# KiCad board hackrf-one.kicad_pcb (continued)
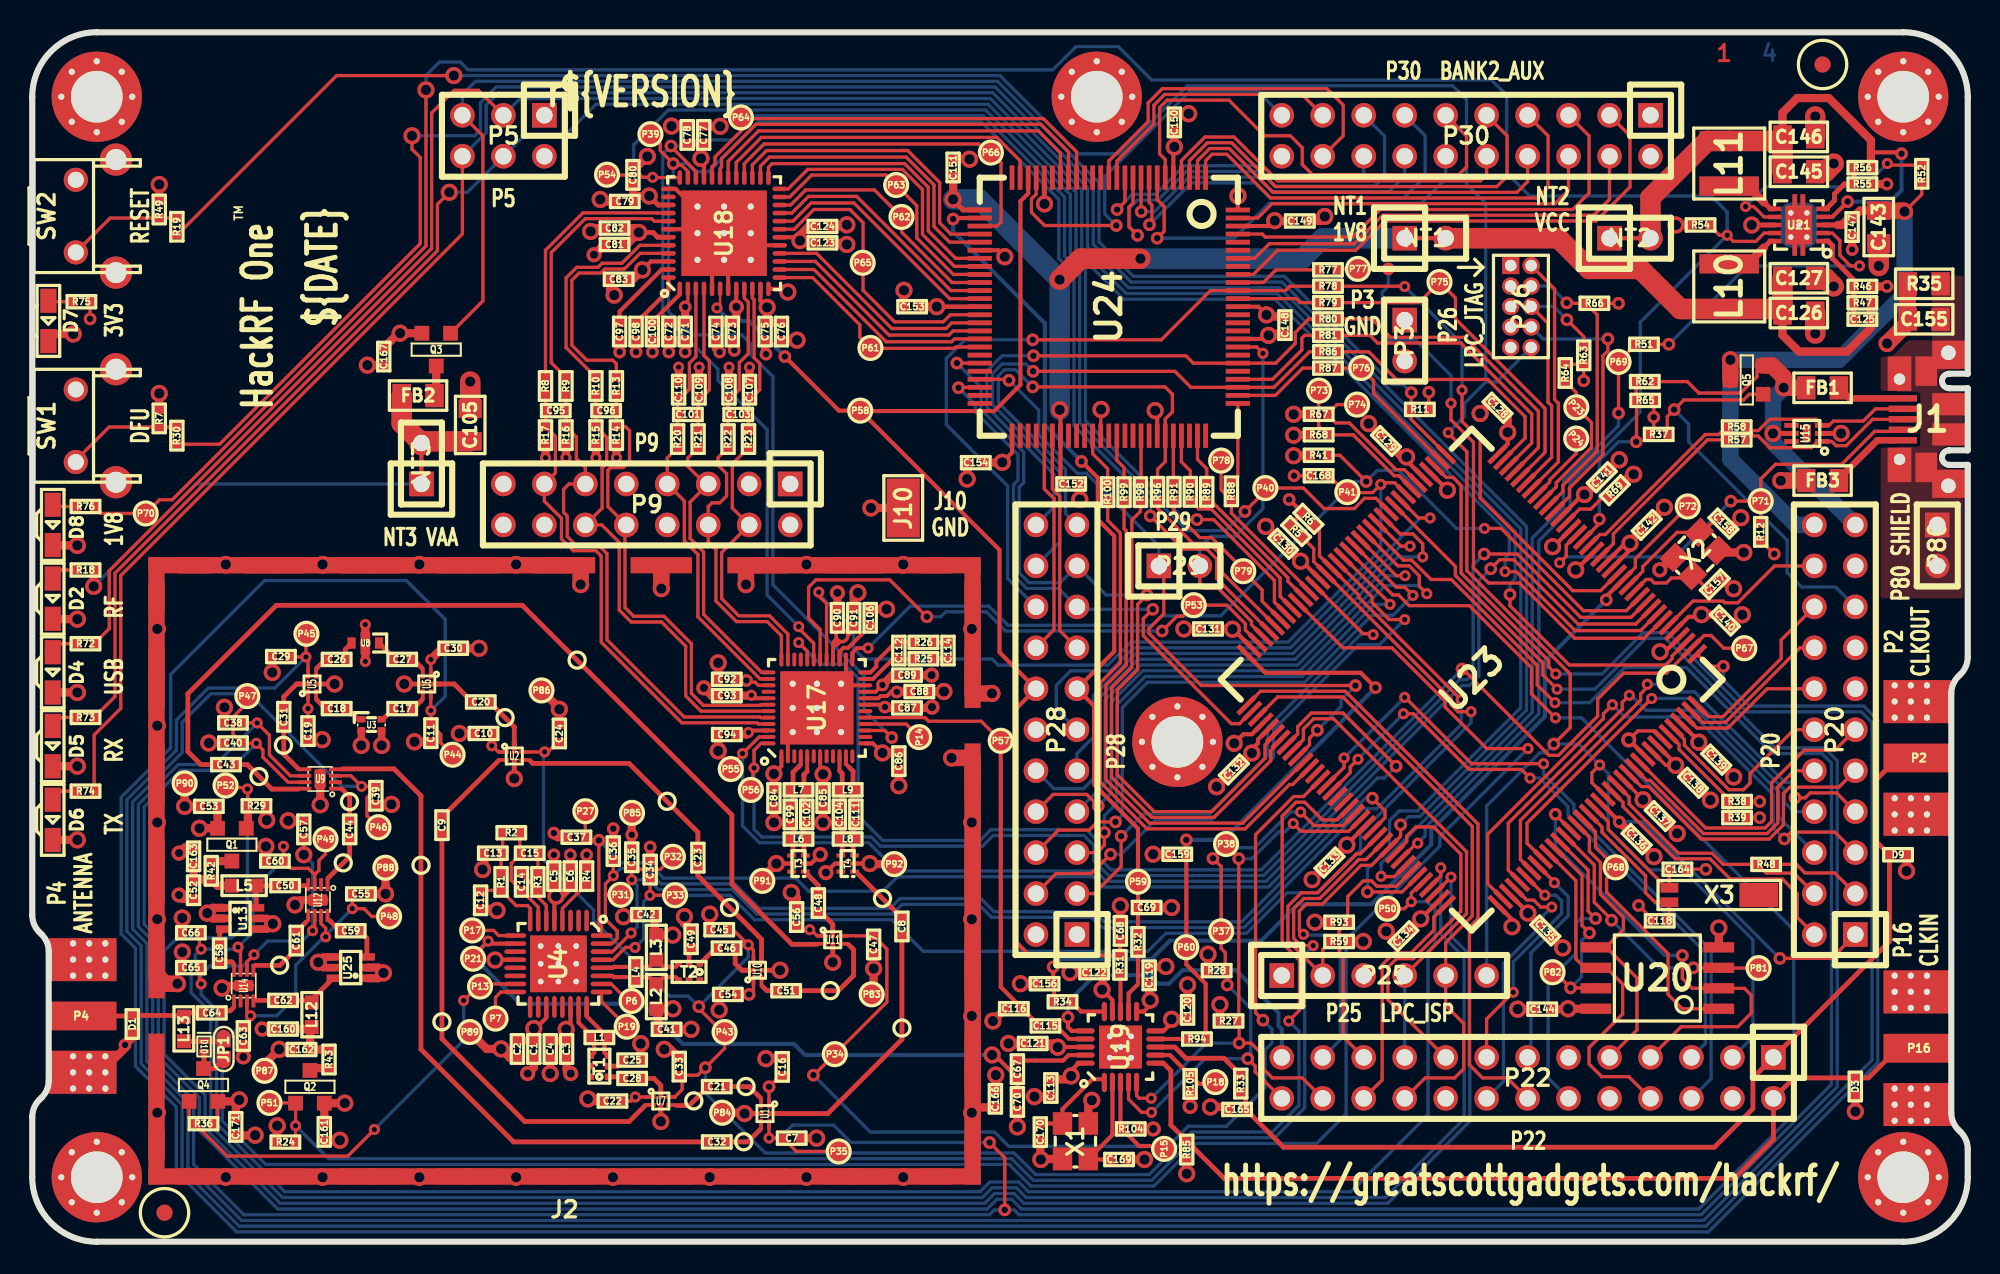
[diagram p0: board, top side]
## Routing (per net, layer and track width the routed paths; a pad name or vN(x,y) marks a point on that pad's centre or on a via; arc(x,y) is an arc through that point) (continued)
/mcu/usb/power/SGPIO14: length 19.2
  C1F w0.203: U23.33 93.38,49.24 93.38,51.5 88.8,56.08 84.2,56.08 83.06,57.22 R80.1
/mcu/usb/power/SGPIO15: length 16.6
  C1F w0.203: R86.1 82.86,55.19 84.58,53.47 90.25,53.47 92.55,51.16 92.55,49.83 U23.35
/mcu/usb/power/SPIFI_CIPO: length 28.7
  C1F w0.203: v3(94.43,26.51) 94.43,26.49 U23.122 ; v3(102.31,17.75) 102.31,16.33 102.92,15.72 U20.2 106.15,15.72 106.58,15.29 106.58,14.17 105.74,13.34 102.24,13.34 P22.7
  C4B w0.203: v3(94.43,26.51) 94.43,24.53 101.21,17.75 v3(102.31,17.75)
/mcu/usb/power/SPIFI_COPI: length 19.5
  C1F w0.203: 97.56,18.26 U20.5 ; U20.5 97.71,18.26 ; U20.5 97.59,18.26 99.49,16.36 99.49,13.13 P22.9 ; 97.63,18.33 98.65,19.35 98.65,20.12 97.23,21.55 97.23,23.53 96.54,24.21 96.54,25.09 U23.123
/mcu/usb/power/SPIFI_CS: length 17
  C1F w0.203: U20.1 102.31,14.45 101.42,15.34 101.42,17.86 97.61,21.67 97.61,22.52 98.17,23.09 P68.1 96.92,24.47 96.92,25.42 U23.124
/mcu/usb/power/SPIFI_SCK: length 21.3
  C1F w0.203: P22.8 98.98,10.24 97.31,10.24 96.52,11.02 96.52,12.04 98.6,14.12 98.6,15.98 97.59,16.99 U20.6 96.26,16.99 95.7,17.55 95.7,22.39 U23.118
/mcu/usb/power/SPIFI_SIO2: length 16.7
  C1F w0.203: v3(102.99,16.99) U20.3 104.59,16.97 P81.1 ; v3(97.92,19.94) 97.92,19.98 96.85,21.05 96.85,23.37 U23.121
  C4B w0.203: v3(97.92,19.94) 100.87,16.99 v3(102.99,16.99)
/mcu/usb/power/SPIFI_SIO3: length 13.2
  C1F w0.203: U20.7 96.92,15.74 v3(95.37,15.74) 94.4,16.71 P82.1 ; v3(96.55,19.15) 96.08,19.61 96.08,22.72 U23.119
  C4B w0.203: v3(96.55,19.15) 96.06,18.66 96.06,16.43 v3(95.37,15.74)
/mcu/usb/power/TCK: length 17.9
  C1F w0.203: v3(95.14,58.22) 95.17,58.19 R66.2 97.03,57.48 97.03,49.03 94.9,46.9 94.9,46.52 U23.27
  C4B w0.203: v3(95.14,58.22) 94.1,59.26 P26.4
/mcu/usb/power/TDI: length 17.1
  C1F w0.203: v3(97.69,55.98) 97.69,55.25 97.38,54.94 97.38,48.81 95.31,46.73 95.31,46.21 U23.26
  C4B w0.203: P26.8 93.67,55.98 v3(97.69,55.98)
/mcu/usb/power/TDO: length 16.8
  C1F w0.203: v3(95.15,57.18) 96.19,56.13 R63.1 ; P26.6 93.97,56.95 93.97,52.06 94.2,51.83 94.2,48.65 U23.31
  C4B w0.203: v3(95.15,57.18) 94.33,57.99 P26.6
/mcu/usb/power/TMS: length 15.2
  C1F w0.203: P26.2 94.39,59.08 94.39,52.23 94.62,51.99 94.62,48.36 U23.30
/mcu/usb/power/U0_RXD: length 29.8
  C1F w0.203: U23.81 78.81,31.14 78.81,31.79 79.45,32.43 80.68,32.43 88.93,24.18 88.93,20.35 P25.4
  C4B w0.203: P25.4 P22.19
/mcu/usb/power/U0_TXD: length 37.7
  C1F w0.203: P22.20 86.36,10.16 88.19,10.16 88.75,10.72 88.75,13.54 87.63,14.66 P25.5 87.63,18.55 89.28,20.2 89.28,25.76 81.25,33.78 77.21,33.78 U23.75
/mcu/usb/power/VREGMODE: length 41.4
  C1F w0.203: R51.2 99.39,55.6 P69.1 v3(98.35,51.38) ; v4(83.63,22.66) 83.64,22.64 84.46,22.64 U23.101
  C4B w0.203: v3(98.35,51.38) 98.35,50.61 94.94,47.21 94.94,45.58 93,43.63 93,32.83 83.63,23.45 v4(83.63,22.66)
/mcu/usb/power/WAKEUP: length 15.3
  C1F w0.203: U23.130 99,27.57 99,27.15 102.07,24.09 104.15,24.09 104.84,23.4 R48.2 107.51,22.86 109.22,22.86 P20.4
/mcu/usb/power/XTAL1: length 5.6
  C1F w0.203: U23.12 100.06,41.07 100.35,41.07 100.56,40.85 101.32,40.85 101.62,41.16 102.79,41.16 X2.1 103.02,41.31 C157.1
/mcu/usb/power/XTAL2: length 7.4
  C1F w0.203: U23.13 99.85,41.57 99.85,41.86 101.98,43.99 X2.3 103.56,43.99 C158.1
AMP_BYPASS: length 124.2
  C1F w0.203: v4(13.75,17.8) 13.31,17.36 13.31,16.77 ; U23.104 86.19,22.3 85.5,21.62 v4(85.5,21.08) 85.06,20.65 P50.1 ; C57.1 v1(16.83,24) ; v4(10.47,15.98) 10.37,16.09 C65.2 ; v4(17.38,19.29) 17.51,19.42 17.51,20.42
  C4B w0.203: v1(16.83,24) 17.38,23.45 v4(17.38,19.29) 16.74,18.65 14.6,18.65 v4(13.75,17.8) 13.05,17.1 11,17.1 10.47,16.57 v4(10.47,15.98) 10.47,15.32 11.42,14.37 11.42,7.34 15.66,3.1 58.77,3.1 59.37,3.7 61.16,3.7 61.77,3.1 81.76,3.1 86.54,7.87 86.54,18.01 86.97,18.44 86.97,20.6 86.49,21.08 v4(85.5,21.08)
CLK6: length 21
  C1F w0.254: v3(64.21,13.92) 64.21,13.31 64.45,13.07 U19.16
  C4B w0.254: v3(64.21,13.92) 64.21,14.86 65.89,16.54 69.27,16.54 69.8,16 70.49,16 71.32,16.84 74.63,16.84 77.27,14.2 77.27,13.39 77.47,13.18 P22.25
CLKIN: length 57
  C1F w0.293: 116.88,12 115.68,12 113.84,10.16 D3.2 109.22,10.16 P22.2 107.95,6.35 105.53,3.93 73.89,3.93 R85.1 70.59,7.23 70.59,10.61 70.13,11.07 U19.6
CLKOUT: length 62
  C1F w0.293: 116.88,30 115.67,30 114.27,28.6 114.27,24.87 D9.2 115.14,18.62 P22.1 106.68,10.16 106.68,8.25 104.29,5.86 77.58,5.86 C165.1 75.23,8.97 R33.1
CS_AD: length 70.2
  C1F w0.203: P54.1 35.66,66.14 37.69,66.14 37.83,66.01 v4(38.46,66.01) 38.48,65.99 40.14,65.99 ; U23.65 77.01,39.67 77.01,41.01 73.24,44.78 v3(72.21,44.78)
  C4B w0.203: v4(38.46,66.01) 37.85,66.01 37.29,66.56 37.29,68.03 39.45,70.18 59.11,70.18 64.36,64.93 64.36,61.26 65.3,60.32 65.3,50.9 71.42,44.78 v3(72.21,44.78)
CS_XCVR: length 36.2
  C1F w0.203: v3(55.47,38.75) 55.45,38.75 53.16,41.05 48.59,41.05 48.13,40.59 48.13,38.67 48.85,37.96 48.85,36.1 ; v3(70.05,37.87) 70.97,38.79 71.32,38.79 P53.1 74.07,39.47 75.21,38.33 75.21,37.93 U23.70
  C4B w0.203: v3(55.47,38.75) 56.33,38.75 56.64,39.06 59.16,39.06 60.34,37.87 v3(70.05,37.87)
DA0: length 14.7
  C1F w0.203: 46.34,59.79 48.38,59.79 51.31,56.86 51.31,56.08 P61.1 51.99,55.4 57.18,55.4 57.26,55.48 U24.43
DA1: length 14.3
  C1F w0.203: 46.34,60.29 48.46,60.29 52.94,55.81 57,55.81 57.18,55.98 U24.42
DA2: length 14.4
  C1F w0.203: 46.34,60.79 48.55,60.79 53.12,56.22 56.83,56.22 57.09,56.48 U24.41
DA3: length 14.5
  C1F w0.203: 46.34,61.29 48.63,61.29 53.29,56.63 56.66,56.63 57.01,56.98 U24.40
DA4: length 18.5
  C1F w0.203: 46.34,62.79 47.24,62.79 48.46,64.01 50.7,64.01 51.51,63.2 51.51,60.73 P65.1 51.51,60.68 51.51,58.99 53.46,57.04 56.48,57.04 56.92,57.48 U24.39
DA5: length 15.3
  C1F w0.203: 46.34,63.29 47.17,63.29 48.29,64.41 50.94,64.41 56.87,58.48 U24.37
DA6: length 15.2
  C1F w0.203: U24.36 56.95,58.98 51.11,64.82 48.13,64.82 47.09,63.79 46.34,63.79
DA7: length 15.7
  C1F w0.203: U24.35 57.03,59.48 53.9,62.61 53.9,63.54 P62.1 52.21,65.23 47.96,65.23 47.02,64.29 46.34,64.29
DD0: length 16.7
  C1F w0.203: U24.34 57.1,59.98 54.84,62.25 54.84,64.25 P63.1 53.55,65.53 52.93,66.14 48.32,66.14 46.96,64.79 46.34,64.79
DD1: length 17
  C1F w0.203: U24.33 57.18,60.48 55.19,62.47 55.19,65.24 53.94,66.5 48.08,66.5 46.87,65.29 46.34,65.29
DD2: length 17.8
  C1F w0.203: U24.32 57.25,60.98 55.55,62.68 55.55,65.39 54.09,66.85 45.87,66.85 45.65,66.63 U18.25
DD3: length 18.2
  C1F w0.203: U18.26 45.15,66.7 45.7,67.26 54.18,67.26 55.91,65.54 55.91,62.96 56.88,61.98 U24.30
DD4: length 18.9
  C1F w0.203: U18.27 44.65,66.78 45.54,67.67 54.28,67.67 56.26,65.68 56.26,63.17 56.95,62.48 U24.29
DD5: length 22.9
  C1F w0.203: U18.28 44.15,66.85 45.37,68.07 58.67,68.07 59.21,67.54 P66.1 60.07,66.91 60.07,63.24 59.81,62.98 U24.28
DD6: length 20.8
  C1F w0.203: 43.64,65.99 43.64,66.92 45.2,68.48 59.81,68.48 61.25,67.04 U24.24
DD7: length 24.5
  C1F w0.203: 43.14,65.99 43.14,67 45.03,68.88 62.37,68.88 63.75,67.51 U24.19
DD8: length 25.9
  C1F w0.203: U24.18 64.25,67.58 62.54,69.29 44.86,69.29 42.74,67.17 42.74,66.64 42.65,66.55 U18.31
DD9: length 27.8
  C1F w0.203: U24.17 64.75,67.59 62.69,69.65 44.01,69.65 P64.1 43.94,68.87 42.33,67.26 42.33,66.85 42.15,66.66 U18.32
GCK1: length 82.3
  C1F w0.152: U18.6 42.65,58.1 v4(42.45,57.9)
  C1F w0.254: P58.1 50.01,51.54 v3(46.66,54.89) ; P58.1 51.36,51.51 59.64,51.51 61.26,53.14 61.26,64.52 61.74,65 U24.23 ; P58.1 59.97,42.9 59.97,36.55 P28.14 61.01,33.07 61.01,18.57 61.82,17.75 67.39,17.75 R31.1 67.44,18.72 C68.1
  C4B w0.254: v4(42.45,57.9) 43.25,57.1 44.45,57.1 v3(46.66,54.89)
GCK2: length 52.6
  C1F w0.254: v3(65.05,48.39) 66.07,47.37 66.07,44.78 67.08,43.76 67.08,36.6 P28.13 65.83,33.23 65.83,28.35 68.55,25.63 P59.1 C69.1 R32.1 ; U24.27 57.16,63.48 v3(57.09,63.42)
  C4B w0.254: v3(57.09,63.42) 57.09,62.64 62.78,56.95 62.78,50.65 v3(65.05,48.39)
HP: length 210.4
  C1F w0.152: 24.71,32.94 v4(24.71,32.93)
  C1F w0.203: P44.1 25.32,30.94 25.32,31.46 C11.2 v4(24.71,32.93) ; v3(104.85,35.68) 104.84,35.69 103.97,35.69 U23.1 ; 24.71,32.94 24.71,34.05
  C4B w0.203: v3(104.85,35.68) 104.85,34.83 106.46,33.22 113.55,33.22 114.42,32.35 114.42,11.12 103.92,0.61 12.68,0.61 8.94,4.35 8.94,8.35 6.4,10.89 6.4,18.21 5.51,19.1 5.51,27.56 8.59,30.63 8.59,35.18 14.41,41 23.2,41 25.6,38.6 25.6,33.82 v4(24.71,32.93)
LP: length 214.4
  C1F w0.203: C29.1 15.98,36.26 v4(16.97,36.26) ; v4(16.97,36.26) 17.1,36.13 U5.5 ; v4(16.97,36.26) 16.97,37.67 P45.1 ; U23.39 87.67,47.4 88.09,47.4 88.59,46.9 88.59,41.47 94.02,36.03 94.02,35.65 v4(94.46,35.2)
  C4B w0.203: v4(16.97,36.26) 15.04,34.33 10.92,34.33 8.94,32.36 8.94,30.48 5.87,27.41 5.87,19.24 6.75,18.36 6.75,11.04 9.29,8.5 9.29,4.5 12.83,0.97 103.77,0.97 114.07,11.26 114.07,32.2 113.41,32.86 106.31,32.86 101.4,37.77 99.89,37.77 97.32,35.2 v4(94.46,35.2)
MCU_CLK: length 2.3
  C1F w0.254: 64.41,14.88 65.02,14.27 U19.15
MIX_BYPASS: length 65.8
  C1F w0.203: 48.46,10.33 P34.1 52.98,14.86 52.98,18.15 C47.2 51.07,18.97 51.06,18.97 51.06,18.97 U11.5 ; U23.86 78.82,27.61 78.21,27.61 75.84,25.25 75.84,14.2 v3(76.3,13.74)
  C4B w0.203: v3(76.3,13.74) 76.86,13.18 76.86,12.32 76.43,11.89 76.43,9.56 74.04,7.16 71.67,7.16 70.42,5.91 60.55,5.91 59.66,6.8 51.96,6.8 v3(48.43,10.33)
MIX_CLK: length 4.3
  C1F w0.254: C67.1 63.92,11.24 64.25,11.57 U19.19
MIXER_ENX: length 84.3
  C1F w0.203: v4(37.13,19.15) 37.13,19.14 35.98,17.99 U4.30 ; R6.2 79.81,44.15 79.81,42.53 U23.57 82.25,40.09 82.25,39.95 v4(88.6,33.6) ; P32.1 38.93,23.08 37.28,23.08 37.17,23.2 C35.1 v4(37.17,22.44)
  C4B w0.203: v4(37.13,19.15) 37.5,19.51 37.5,22.11 v4(37.17,22.44) 38.23,22.44 38.84,21.84 43.41,21.84 44.93,20.32 53.34,20.32 53.94,20.92 58.67,20.92 59.48,20.12 65.68,20.12 66.32,19.48 75.13,19.48 82.5,26.85 83.36,26.85 88.6,32.08 v4(88.6,33.6)
MIXER_RESETX: length 83.8
  C1F w0.203: v4(37.37,18.25) 36.78,18.25 36.01,17.49 U4.29 ; C34.1 38.31,21.49 v4(38.3,21.48) 38.3,21.49 P33.1 ; v4(89.2,32.87) 88.39,32.87 87.96,33.3 87.96,33.67 U23.58 79.45,42.18 79.45,42.98 R5.2
  C4B w0.203: v4(89.2,32.87) 89.2,32.19 82.35,25.33 82.35,24.26 79.73,21.64 77.79,21.64 75.28,19.13 70.28,19.13 69.16,18.01 55.24,18.01 53.28,19.96 44.78,19.96 43.26,21.48 v4(38.3,21.48) 37.9,21.09 37.9,18.79 v4(37.37,18.25)
MIXER_SCLK: length 62.4
  C1F w0.203: 35.53,21.51 35.53,20 36.27,19.27 36.27,18.82 35.94,18.49 U4.31 ; 35.53,21.51 35.53,22.19 36.02,22.68 v4(36.02,22.7) C36.1 ; 35.53,21.51 P31.1 ; v3(83.08,27.51) 83.87,26.72 83.87,26.3 U23.95
  C4B w0.203: v3(83.08,27.51) 82.66,27.51 74.99,19.84 66.47,19.84 65.83,20.47 59.62,20.47 58.82,21.28 53.79,21.28 53.19,20.68 45.07,20.68 43.56,22.19 38.98,22.19 38.04,23.14 36.47,23.14 v4(36.02,22.7)
MIXER_SDATA: length 72.3
  C1F w0.203: U4.32 35.3,19.57 35.13,19.74 v3(35.13,24.89) 34.46,24.89 C37.1 34.29,25.1 P27.1 ; v3(84.56,29.49) 81.26,32.79 79.3,32.79 78.46,31.94 78.46,31.49 U23.80
  C4B w0.203: v3(84.56,29.49) 83.82,28.75 83.4,28.75 76.64,22 66.44,22 65.8,22.63 53.64,22.63 52.74,21.74 48.14,21.74 47.33,22.55 39.13,22.55 38.19,23.5 36.53,23.5 v3(35.13,24.89)
RSSI: length 83.3
  C1F w0.203: v3(88.65,35.51) 88.7,35.51 94.04,30.16 94.63,30.16 97.05,32.59 97.05,33.65 98.65,35.26 101.31,35.26 U23.2 103.65,37.59 104.09,37.59 104.88,36.8 P67.1 ; v4(47.52,37.15) 48.05,36.62 48.05,36.1
  C4B w0.203: v3(88.65,35.51) 76.2,23.06 66.88,23.06 66.17,23.77 66.17,24.73 65.35,25.55 59.44,25.55 58.77,24.89 52.73,24.89 51.21,26.41 51.21,34.95 50.34,35.81 48.86,35.81 v4(47.52,37.15)
RX: length 105.7
  C1F w0.152: 31.76,30.37 v4(31.77,30.38)
  C1F w0.203: U7.5 39.83,8.98 40.29,9.44 40.29,10.15 ; v4(31.77,30.38) 31.97,30.38 32.58,30.99 C24.2 ; U23.91 80.91,26.16 79.98,26.16 78.89,27.25 78.36,27.25 77.5,26.39 77.5,18.52 78.56,17.45 78.56,14.35 v4(77.9,13.69) ; v3(41.33,14.58) 41.33,14.47 42.79,13 P43.1 42.93,11.99 v3(41.73,10.79) 41.26,10.33 C33.1 ; 31.76,30.37 30.42,30.37 ; U10.5 44.71,18.09 v4(44.39,18.41) 43.45,19.35 C45.2
  C4B w0.203: v4(77.9,13.69) 78.54,13.06 78.54,8.46 76.89,6.81 71.89,6.81 69.25,4.17 62.21,4.17 60.87,5.51 45.44,5.51 41.73,9.21 v3(41.73,10.79) ; v4(31.77,30.38) 31.69,30.3 31.69,25.03 31.7,25.02 31.7,24.31 31.69,24.3 31.69,23.68 34.8,20.58 34.8,19.94 39.51,15.23 40.67,15.23 v3(41.33,14.58) 44.39,17.65 v4(44.39,18.41)
RX_AMP: length 130.3
  C1F w0.203: 17.51,22.76 17.11,23.16 16.03,23.16 15.59,23.6 C60.2 v4(15.58,24.52) ; 17.51,22.76 17.51,22.08 ; 17.51,22.76 17.77,23.03 17.77,23.64 18.18,24.05 P49.1 ; v4(87.33,23.19) 87.33,22.68 U23.105 ; C66.2 10.37,18.24 v4(10.47,18.14) ; v4(12.76,18.27) 12.91,18.12 12.91,16.66
  C4B w0.203: v4(87.33,23.19) 87.33,19.08 88.77,17.63 88.77,7.62 83.9,2.74 61.62,2.74 61.02,3.35 59.52,3.35 58.91,2.74 15.51,2.74 11.07,7.19 11.07,14.22 9.85,15.44 9.85,16.83 10.1,17.09 10.1,17.78 v4(10.47,18.14) 12.63,18.14 v4(12.76,18.27) 13.7,19.21 13.7,21.83 15.58,23.71 v4(15.58,24.52)
RX_IF: length 1.6
  C1F w0.293: C48.2 48.74,22.1 48.01,22.82
RX_MIX_BP: length 192.3
  C1F w0.203: 16.96,28.5 15.86,28.5 14.3,30.06 14.3,30.5 v4(13.89,30.9) 13,30.9 C40.2 12.45,31.46 12.45,32.54 13.33,33.43 P47.1 ; v4(94.44,32.49) 92.95,33.97 92.95,35.59 89.1,39.45 85.37,39.45 84.71,40.11 84.35,40.11 U23.54
  C4B w0.203: v4(13.89,30.9) 12.23,29.24 9.2,29.24 6.93,26.97 6.93,19.69 7.82,18.8 7.82,11.48 10.36,8.94 10.36,6.89 15.22,2.03 59.21,2.03 59.81,2.64 60.72,2.64 61.32,2.03 103.33,2.03 109.21,7.92 109.21,19.32 96.05,32.49 v4(94.44,32.49)
RXENABLE: length 79.2
  C1F w0.203: v3(90.02,42.65) 92.08,42.65 96,38.72 99.12,38.72 U23.10 ; P56.1 44.68,28.14 44.68,29.31 v4(44.75,29.38) 44.75,30.47 45.18,30.9 45.65,30.9
  C4B w0.203: v3(90.02,42.65) 89.33,41.96 89.33,35.23 88.95,34.85 88.49,34.85 76.35,22.71 66.73,22.71 65.82,23.62 65.82,24.58 65.2,25.2 59.58,25.2 58.92,24.53 52.58,24.53 52.01,25.1 45.23,25.1 44.75,25.58 v4(44.75,29.38)
SCL: length 37.6
  C1F w0.203: v3(73.2,23.77) 73.71,23.27 P37.1 73.71,18.19 73.96,17.93 R28.2 74.09,16.69 v3(74.09,15.93) ; P22.26 75.82,10.54 75.82,10.9 v3(75.36,11.35) ; v4(78.64,26.64) 79.48,25.81 81.26,25.81 U23.92 ; v4(69.39,8.03) 68.78,8.03 67.97,8.84 U19.4
  C4B w0.203: v3(73.2,23.77) 73.86,24.43 75.79,24.43 78,26.64 v4(78.64,26.64) ; v4(69.39,8.03) 72.72,11.35 v3(75.36,11.35) 75.54,11.53 75.54,14.48 v3(74.09,15.93)
SDA: length 37.5
  C1F w0.203: v4(69.37,8.9) 68.64,8.9 68.47,9.07 U19.5 ; v4(78.18,25.93) 78.66,25.45 81.61,25.45 U23.93 ; R27.2 74.83,13.56 v3(74.83,12.32) 75.56,12.32 76.33,11.56 76.33,10.72 76.89,10.16 78.74,10.16 P22.24 ; R27.2 74.75,13.74 ; R27.2 74.8,13.79 v3(74.8,23.75) 74.02,24.54 P38.1
  C4B w0.203: v4(78.18,25.93) 77.67,25.43 77.29,25.43 75.61,23.75 v3(74.8,23.75) ; v4(69.37,8.9) 72.79,12.32 v3(74.83,12.32)
SGPIO_CLK: length 37.4
  C1F w0.203: C159.1 71.55,24.05 v3(71.55,24.92)
  C1F w0.254: C159.1 71.55,24 P60.1 71.55,17.2 72.75,16 72.75,12.58 R94.1 ; U23.72 76.45,35.28 82.36,35.28 v3(83.28,34.36)
  C4B w0.254: v3(83.28,34.36) 83.28,34.36 73.84,24.92 v3(71.55,24.92)
SSP1_CIPO: length 54.7
  C1F w0.203: U23.44 84.46,47.07 83.71,47.07 v4(83.61,46.96) 83.1,46.46 81.56,46.46 P41.1 81.41,46.48 80.39,47.5 C168.1 ; U17.29 49.25,39.56 48.76,40.05 v4(48.76,40.28)
  C4B w0.203: v4(83.61,46.96) 83.61,42.93 77.86,37.19 68.12,37.19 66.69,35.76 59.89,35.76 59.51,36.14 51.58,36.14 50.92,36.8 50.92,37.99 48.76,40.15 v4(48.76,40.28)
SSP1_COPI: length 104.5
  C1F w0.203: v3(39.6,67.94) 39.6,67.92 41.15,66.37 U18.34 ; v4(47.52,38.14) 47.52,38.04 48.45,37.11 U17.31 ; v3(75.19,45.29) 76.45,46.55 P40.1 78.82,46.74 80.09,45.47 81.97,45.47 82.6,46.1 83.3,46.1 U23.47
  C4B w0.203: v3(75.19,45.29) 74,44.09 71.6,44.09 64.94,50.75 64.94,60.17 64,61.11 64,64.78 58.96,69.82 44.91,69.82 43.41,68.33 40.77,68.33 40.39,67.94 v3(39.6,67.94) 39.09,67.44 39.09,57.53 42.51,54.11 42.51,53.41 45.56,50.36 45.56,40.1 v4(47.52,38.14)
SSP1_SCK: length 109.4
  C1F w0.203: v3(53.29,31.27) 52.85,31.7 51.65,31.7 ; 40.64,65.99 40.64,66.37 40.27,66.75 39.84,66.75 v3(39.74,66.85) 38.94,67.66 38.94,68.07 P39.1 ; v3(69.32,45.01) 71.37,42.95 72.82,42.95 73.43,42.34 73.43,41.13 U23.68
  C4B w0.203: v3(53.29,31.27) 51.56,32.99 51.56,35.1 45.92,40.74 45.92,53.65 44.55,55.02 44.55,55.68 43.99,56.24 40.89,56.24 39.45,57.68 39.45,65.86 39.74,66.16 v3(39.74,66.85) 40.62,66.85 41.12,66.35 41.95,66.35 45.06,69.47 58.82,69.47 63.65,64.64 63.65,60.97 64.59,60.03 64.59,50.6 69.32,45.87 v3(69.32,45.01)
TX_AMP: length 143.2
  C1F w0.203: v4(92.74,30.58) 90.18,30.58 87.6,33.15 87.6,33.52 84.3,36.83 81.27,36.83 U23.63 ; P48.1 21.06,20.17 20.57,20.66 v4(19.84,20.66) C55.1 ; C63.1 13.53,13.74 v4(13.53,14.01) 13.31,14.24 U14.3 ; v4(18.19,18.91) 18.19,19.44 17.91,19.72 17.91,20.42
  C4B w0.203: v4(92.74,30.58) 87.27,25.12 87.27,24.54 81.46,18.72 81.46,7.92 79.63,6.1 72.19,6.1 69.55,3.45 61.91,3.45 60.57,4.79 14.47,4.79 11.78,7.48 11.78,12.26 v4(13.53,14.01) 15.16,14.01 16.34,15.2 16.34,17.15 18.09,18.91 v4(18.19,18.91) 18.19,19.01 v4(19.84,20.66)
TX_IF: length 3.9
  C1F w0.293: C8.1 51.18,22.82
TX_MIX_BP: length 215
  C1F w0.203: 18.74,28.9 19.76,28.9 v4(20.42,28.24) 21.25,28.24 C39.2 21.31,28.09 20.75,27.53 20.75,26.42 P46.1 ; v4(94.54,34.26) 93.66,35.14 93.66,35.88 88.23,41.32 88.23,41.88 U23.46
  C4B w0.203: v4(94.54,34.26) 96.89,34.26 100.04,37.41 101.25,37.41 108.04,30.63 111.11,30.63 111.91,29.83 111.91,9.61 103.62,1.32 12.97,1.32 9.65,4.65 9.65,8.65 7.11,11.19 7.11,18.51 6.22,19.39 6.22,27.26 9.3,30.34 9.3,32.21 11.06,33.98 13.45,33.98 19.19,28.24 v4(20.42,28.24)
TXENABLE: length 79.3
  C1F w0.203: v3(90.42,41.73) 90.98,42.29 91.85,42.29 95.84,38.3 99.41,38.3 U23.9 ; P55.1 43.31,29.54 v4(44.04,30.27) 45.07,31.3 U17.47
  C4B w0.203: v3(90.42,41.73) 89.69,41 89.69,35.08 89.1,34.49 88.64,34.49 76.49,22.35 66.58,22.35 65.95,22.99 53.62,22.99 51.87,24.74 45.08,24.74 44.04,25.79 v4(44.04,30.27)
VAA: length 106
  C1F w0.152: 24.71,36.1 v4(24.71,36.11) ; 17.1,33.07 v4(17.09,33.06)
  C1F w0.203: C56.1 47.65,19.35 v4(48.2,19.35) 48.28,19.35 48.66,18.97 U11.1 ; C54.1 v3(44.44,15.34) 44.71,15.61 U10.1 ; v3(44.28,34.8) 44.39,34.7 44.82,34.7 45.02,34.5 U17.39 ; R36.2 11.51,7.68 Q4.2 ; C19.2 v4(17.09,33.06) ; 24.71,36.1 24.71,35.12 ; 40.64,59.09 40.64,58.13 v3(40.48,57.97) ; U7.1 v4(37.39,8.98) 37.14,8.73 C22.2 ; 17.1,33.07 17.1,34.05 ; C16.1 46.38,10.31 v3(45.68,9.61) U1.1 ; C10.2 28.51,30.78 v4(28.49,30.76) 28.52,30.76 28.9,30.37 U2.1
  C1F w0.241: 51.65,33.3 52.72,33.3 v3(52.86,33.15) ; 51.65,34.1 52.29,34.1 v3(52.71,34.53) ; v1(45.98,29.01) 46.45,29.48 46.45,30.1 ; v1(52.71,30.31) 52.12,30.9 51.65,30.9 ; 49.65,36.1 49.65,36.97 49.79,37.12 ; v1(49.03,28.99) 48.85,29.17 48.85,30.1 ; v4(44.58,33.89) 44.77,33.7 U17.41 ; v4(44.41,31.58) 44.53,31.7 45.65,31.7
  C1F w0.254: v1(33.1,13.17) 33.37,13.44 U4.22 ; v1(32.47,21.43) 32.37,21.33 U4.5 ; v1(45.56,57.94) 45.15,58.36 U18.11 ; v1(37.83,60.26) 38.35,60.79 U18.46 ; U18.33 41.65,66.99 v1(41.46,67.17) ; v2(43.66,57.97) 43.64,57.98 43.64,59.09
  C1F w0.305: v1(37.6,62.59) 38.48,62.59 38.78,62.29 U18.43 ; v1(38.25,64.85) 38.81,64.29 U18.39
  C1F w0.508: v1(39.72,14.45) 39.72,14.44 L2.2 38.79,14.34 C41.1 ; v1(3.81,40.64) 3.81,41.63 R18.2 ; v1(41.46,67.17) 41.46,67.94 C77.1 C78.1 ; C91.1 50.35,37.57 v2(50.2,37.57) ; v3(44.28,34.8) 44.24,34.85 43.63,34.85 C92.1 ; v1(59.74,10.34) 59.74,9.42 C166.1 ; C81.1 36.86,61.84 v1(37.6,62.59) 37.33,62.86 C82.1 ; v1(10.37,25.64) Q1.2 11.49,27.01 ; C90.1 49.92,37.85 v2(50.2,37.57) ; v1(45.56,57.94) 45.56,57.1 C75.1 C76.1 ; C72.1 C71.1 v3(40.48,57.97) ; v1(37.83,60.26) 37.24,59.68 C83.1 ; C5.1 32.34,21.55 v1(32.47,21.43) 32.77,21.43 33.36,22.01 C6.1 ; v1(39.71,19.01) L3.2 38.59,19.12 C42.1 ; C4.1 C3.1 33.13,13.15 v1(33.1,13.17) ; v4(44.58,33.89) 44.56,33.86 C93.1 ; C80.1 37.27,65.6 C79.1 37.27,64.59 37.53,64.85 v1(38.25,64.85) ; v1(19.38,8.59) Q2.2 C161.1 ; C171.1 12.62,8.7 12.72,8.8 12.62,8.71 Q4.2 ; v1(15.18,7.2) 15.16,7.17 R24.2 ; v2(50.2,37.57) 50.2,37.52 49.79,37.12 ; C84.1 v1(45.98,29.01) ; R29.1 14.43,26.25 v1(14.53,26.14) ; v3(52.71,34.53) 53.32,35.13 C89.1 ; C85.1 v1(49.03,28.99) ; C94.1 44.28,31.45 v4(44.41,31.58) ; v2(43.66,57.97) 43.66,57.23 C73.1 C74.1 ; C87.1 52.92,33.1 v3(52.86,33.15) ; v1(52.71,30.31) 52.74,30.33 C86.1 ; v4(24.71,36.11) 25.4,36.8 C30.1
  C4B w0.203: NT3.1 10.16,46.99 v1(3.81,40.64)
  vias: v1(12.83,8.8)
XCVR_EN: length 62
  C1F w0.203: v3(82.7,47.14) 81.08,48.77 R41.2 ; U23.11 98.82,39.13 96.17,39.13 91.07,44.23 v4(90.04,44.23)
  C1F w0.241: U17.25 50.85,36.52 51.14,36.81 v4(51.82,36.81)
  C4B w0.203: v4(90.04,44.23) 88.31,44.23 84.71,47.83 83.39,47.83 v3(82.7,47.14) 82.01,47.14 73.68,38.81 70.03,38.81 69.44,38.23 60.49,38.23 59.3,39.41 54.43,39.41 v4(51.82,36.81)
Net-(C8-Pad2): length 16.3
  C1F w0.293: C8.2 53.92,12.55 49.32,7.95 45.98,7.95
Net-(C9-Pad1): length 27.8
  C1F w0.293: C9.1 25.4,12.59 30.53,7.46 37.01,7.46 38,8.45
Net-(C9-Pad2): length 5
  C1F w0.293: C9.2 25.44,26.37 28.92,29.84
Net-(C12-Pad1): length 4.3
  C1F w0.203: U4.8 30.87,20.68 30.7,20.85 30,20.85 R1.2 27.87,21.78 C12.1
Net-(C13-Pad1): length 2.6
  C1F w0.203: R2.2 29.17,24.17 C13.1 29.06,24.07 R1.1
Net-(C14-Pad1): length 6.4
  C1F w0.203: U4.7 31.37,20.75 C14.1 29.7,22.42 29.7,23.46 30.31,24.07 C15.1 30.23,24.17 R2.1
Net-(C14-Pad2): length 3.6
  C1F w0.203: C14.2 30.33,22.82 31.35,21.81 R3.1 31.35,21.37 31.87,20.85 U4.6
Net-(C15-Pad2): length 1.3
  C1F w0.203: C15.2 31.35,24.07 R3.2
Net-(C17-Pad1): length 1
  C1F w0.293: U3.4 21.74,32.4 C17.1
Net-(C17-Pad2): length 0.9
  C1F w0.293: C17.2 23.62,33.06 24.18,33.62
Net-(C18-Pad1): length 0.9
  C1F w0.293: 17.63,33.62 18.18,33.06 C18.1
Net-(C18-Pad2): length 1.3
  C1F w0.293: C18.2 19.53,33.06 20.2,32.4 U3.1
Net-(C20-Pad1): length 2.7
  C1F w0.293: C20.1 26.16,34.59 U6.6
Net-(C20-Pad2): length 3.4
  C1F w0.293: C20.2 29.89,31.93 U2.6
Net-(C21-Pad1): length 2.5
  C1F w0.293: C21.1 44.45,9.62 45.15,8.92
Net-(C21-Pad2): length 2.4
  C1F w0.293: 39.94,8.45 40.73,8.45 C21.2
Net-(C23-Pad1): length 7.4
  C1F w0.293: C23.1 41.27,22.7 45.21,18.76 U10.4
Net-(C23-Pad2): length 13.3
  C1F w0.293: 30.85,29.84 31.03,29.66 37,29.66 41.27,25.39 C23.2
Net-(C25-Pad1): length 1.2
  C1F w0.293: C25.1 36.28,10.89 T1.2
Net-(C26-Pad1): length 1.2
  C1F w0.293: C26.1 19.41,36.73 U8.3
Net-(C26-Pad2): length 0.9
  C1F w0.293: C26.2 18.18,36.11 17.63,35.55
Net-(C27-Pad1): length 1.4
  C1F w0.293: U8.1 22.4,36.22 C27.1
Net-(C27-Pad2): length 0.9
  C1F w0.293: 24.18,35.55 23.62,36.11 C27.2
Net-(C28-Pad1): length 1
  C1F w0.293: C28.1 36.56,10.23 T1.1
Net-(C28-Pad2): length 1.4
  C1F w0.293: C28.2 38.54,10.12 38.97,9.69
Net-(C31-Pad1): length 3.1
  C1F w0.293: C31.1 15.6,30.23 16.5,29.32
Net-(C31-Pad2): length 2.2
  C1F w0.293: C31.2 15.6,33.79 16.39,34.59 U5.6
Net-(C32-Pad1): length 2.5
  C1F w0.293: 45.15,6.98 44.36,6.19 C32.1
Net-(C32-Pad2): length 41.5
  C1F w0.293: 19.2,29.32 22.43,29.32 24.1,27.65 24.1,11.93 29.84,6.19 C32.2
Net-(C43-Pad1): length 4.6
  C1F w0.293: 16.5,28.07 14.85,28.07 13.33,29.59 C43.1
Net-(C43-Pad2): length 58.3
  C1F w0.293: 48.66,18.44 47.1,18.44 43.38,22.17 43.38,26.46 30.37,39.47 15.13,39.47 9.65,33.98 9.65,30.4 10.46,29.59 C43.2
Net-(C44-Pad1): length 3
  C1F w0.293: 18.34,22.55 19.68,23.89 C44.1
Net-(C44-Pad2): length 2.2
  C1F w0.293: C44.2 19.68,27.59 19.2,28.07
Net-(C46-Pad1): length 2
  C1F w0.293: U10.6 43.99,16.84 43.58,17.25 C46.1
Net-(C46-Pad2): length 1.5
  C1F w0.293: C46.2 42.37,18.21 T2.1
Net-(C48-Pad1): length 1.6
  C1F w0.293: U11.6 49.63,19.69 48.85,20.47 C48.1
Net-(C49-Pad2): length 1.1
  C1F w0.293: C49.2 40.72,18.1 T2.2
Net-(C50-Pad1): length 2.6
  C1F w0.293: U13.6 13.89,22.07 L5.2 C50.1
Net-(C51-Pad1): length 6.1
  C1F w0.293: C51.1 49.98,15.57 50.92,16.5 50.92,18.12 50.6,18.44
Net-(C51-Pad2): length 1.1
  C1F w0.293: C51.2 45.55,15.57 45.24,15.87
Net-(C58-Pad2): length 1.1
  C1F w0.293: U13.3 11.61,19.12 C58.2
Net-(C59-Pad2): length 1.8
  C1F w0.293: U25.3 20.75,18.82 C59.2
Net-(C61-Pad1): length 2.9
  C1F w0.293: 13.84,17.14 15.36,17.14 C61.1
Net-(C61-Pad2): length 0.9
  C1F w0.293: C61.2 16.98,19.83
Net-(C62-Pad2): length 3.3
  C1F w0.293: C62.2 17.2,14.97 ; L12.2 17.33,15.02 18.65,16.34 U25.6
Net-(C64-Pad1): length 1
  C1F w0.293: 12.49,14.53 12.27,14.32 11.79,14.32 C64.1
Net-(C64-Pad2): length 7.6
  C1F w0.293: 3.12,14 6.17,14 D1.2 9.33,14.03 L13.2 9.63,14.19 C64.2
Net-(C99-Pad1): length 3.5
  C1F w0.241: 47.63,29.57 47.65,29.59 U17.4
  C1F w0.293: C99.1 47.17,27.2 47.17,27.83 L7.1 47.17,28.22 47.17,29.11 47.63,29.57
Net-(C99-Pad2): length 2.2
  C1F w0.293: C99.2 47.17,25.79 47.17,25.17 L6.1 47.17,24.78 47.17,24.04
Net-(C102-Pad1): length 3.4
  C1F w0.241: U17.5 48.05,29.17
  C1F w0.293: 48.05,29.17 47.84,28.96 47.84,28.22 L7.2 47.84,27.83 47.84,27.2 C102.1
Net-(C102-Pad2): length 2.2
  C1F w0.293: 47.84,24.04 47.84,24.78 L6.2 47.84,25.17 47.84,25.79 C102.2
Net-(C104-Pad1): length 3.4
  C1F w0.241: U17.10 50.05,29.2
  C1F w0.293: C104.1 50.22,27.2 50.22,27.83 L9.1 50.22,28.22 50.22,29.04 50.05,29.2
Net-(C104-Pad2): length 2.1
  C1F w0.293: 50.22,24.08 50.22,24.78 L8.1 50.22,25.17 50.22,25.79 C104.2
Net-(C105-Pad1): length 6.5
  C1F w1.27: C105.1 24.23,49.63 NT3.2 22.91,50.75 FB2.2
Net-(C106-Pad1): length 3
  C1F w0.241: C106.1 51.91,38.16 50.59,36.83 50.29,36.83 50.05,36.59 U17.27
Net-(C111-Pad1): length 3.5
  C1F w0.241: 50.66,29.41 50.45,29.62 U17.11
  C1F w0.293: C111.1 50.89,27.2 50.89,27.83 L9.2 50.89,28.22 50.89,29.18 50.66,29.41
Net-(C111-Pad2): length 2.2
  C1F w0.293: C111.2 50.89,25.79 50.89,25.17 L8.2 50.89,24.78 50.89,24.04
Net-(C114-Pad1): length 1
  C1F w0.254: C114.1 56.75,37.17 R26.2
Net-(C114-Pad2): length 1
  C1F w0.254: C114.2 56.75,36.15 R25.2
Net-(C125-Pad2): length 5.8
  C1F w0.305: 111.03,62.05 111.34,62.05 111.61,61.78 111.61,60.98 112.93,59.65 R46.2 R47.2 C125.2
Net-(C160-Pad1): length 3.9
  C1F w0.508: R43.1 18.31,11.92 C162.2 17.23,13.22 L12.1 17.2,13.19 C160.1
Net-(C163-Pad2): length 3.6
  C1F w0.508: C163.2 C52.1 10.13,22.47 R42.2 11.49,22.08 L5.1
Net-(D2-Pad2): length 1.7
  C1F w0.203: R18.1 1.8,41.66 D2.2
Net-(D4-Pad2): length 1.7
  C1F w0.203: R72.1 1.8,37.08 D4.2
Net-(D5-Pad2): length 1.7
  C1F w0.203: R73.1 1.8,32.51 D5.2
Net-(D6-Pad2): length 1.7
  C1F w0.203: D6.2 1.8,27.94 R74.1
Net-(D7-Pad2): length 1.5
  C1F w0.203: D7.2 1.06,58.29 R75.1
Net-(D8-Pad2): length 1.5
  C1F w0.203: D8.2 1.38,45.59 R76.1
Net-(D10-Pad1): length 2.5
  C1F w0.305: L13.1 9.41,12.43 D10.1 11.7,12.43 JP1.1
Net-(D10-Pad2): length 2.5
  C1F w0.305: JP1.2 11.31,10.74 Q4.3 10.65,10.77 D10.2
Net-(FB1-Pad1): length 3.7
  C1F w0.406: FB1.1 112.67,52.3 115.47,52.3
Net-(FB2-Pad1): length 1.9
  C1F w0.508: FB2.1 25.04,52.58 Q3.3
Net-(FB3-Pad1): length 4.6
  C1F w0.406: FB3.1 112.02,47.32 114.4,49.7 115.47,49.7
Net-(J1-Pad2): length 10.7
  C1F w0.203: J1.2 114.29,51.65 113.52,50.89 111.66,50.89 111.4,50.62 U15.3 110.6,51 107.73,51 107.02,50.3 106.43,50.3 R58.2
Net-(J1-Pad3): length 11.1
  C1F w0.203: J1.3 114.1,51 112.47,49.36 111.83,49.36 111.57,49.62 U15.1 110.7,49.62 110.32,49.24 107.73,49.24 107,49.97 106.45,49.97 R57.2
Net-(J1-Pad4): length 28.6
  C1F w0.203: v4(94.7,42.1) 95.11,42.51 95.11,43.19 U23.22 ; 115.47,50.35 115.38,50.25 114.22,50.25 112.18,48.21 108.08,48.21 107.16,47.29 P71.1 ; P71.1 R12.2 ; P71.1 v3(105.31,45.92)
  C4B w0.203: v3(105.31,45.92) 101.85,42.47 95.07,42.47 v4(94.7,42.1)
Net-(L1-Pad1): length 3.5
  C1F w0.254: T1.4 34.84,11.72 34.84,12.45 L1.1 34.63,12.83 33.87,13.59 U4.23
Net-(L1-Pad2): length 3.7
  C1F w0.254: U4.24 34.37,13.99 L1.2 35.48,12.45 35.48,11.73 T1.3
Net-(L2-Pad1): length 5.4
  C1F w0.254: T2.4 39.88,16.41 39.14,16.41 L2.1 38.25,16.41 37.64,16.41 L4.2 37.2,16.41 36.05,16.41 35.98,16.49 U4.27
Net-(L3-Pad1): length 5.4
  C1F w0.254: T2.3 39.88,17.05 39.14,17.05 L3.1 38.25,17.04 37.64,17.04 L4.1 37.2,17.04 36.03,17.04 35.98,16.99 U4.28
Net-(L10-Pad1): length 3.4
  C1F w0.305: 108.03,62.05 107.77,62.05 107.37,61.65
  C1F w0.508: L10.1 106.36,60.64 107.37,61.65
Net-(L11-Pad2): length 3.4
  C1F w0.305: 107.37,64.45 107.77,64.05 108.03,64.05
  C1F w0.508: 107.37,64.45 106.36,65.46 L11.2
Net-(P6-Pad1): length 2.3
  C1F w0.203: P6.1 36.95,14.93 35.89,15.99 U4.26
Net-(P7-Pad1): length 2.7
  C1F w0.203: P7.1 28.72,15.16 29.05,15.49 U4.16
Net-(P17-Pad1): length 2.8
  C1F w0.203: P17.1 28.6,19.3 28.92,18.99 U4.9
Net-(P19-Pad1): length 2.8
  C1F w0.203: P19.1 35.3,14.9 U4.25
Net-(P24-Pad1): length 4.5
  C1F w0.203: P24.1 95.73,48.89 94.08,47.23 94.08,47.11 U23.29
Net-(Q1-Pad3): length 1.3
  C1F w0.508: Q1.3 11.17,23.6 R42.1
Net-(Q2-Pad3): length 1.2
  C1F w0.508: R43.2 17.36,10.77 Q2.3
Net-(R4-Pad2): length 2.9
  C1F w0.203: R4.2 34.33,22.14 32.87,20.68 U4.4
Net-(R19-Pad2): length 7.1
  C1F w0.203: SW2.2 4.82,63.47 R49.2 R19.2
Net-(R30-Pad2): length 7.3
  C1F w0.203: 2.6,48.35 4.77,50.52 R7.1 R30.2
Net-(R51-Pad1): length 18.5
  C1F w0.203: v3(101.47,55.65) R51.1 ; 111.03,62.55 111.61,62.55 112.07,62.08 112.07,61.17 112.73,60.51 v4(113.29,60.51)
  C4B w0.203: v3(101.47,55.65) 106.33,60.51 v4(113.29,60.51)
Net-(R52-Pad2): length 14.1
  C1F w0.203: v4(106.23,64.19) 106.74,64.19 107.38,63.55 108.03,63.55 ; v4(115.02,66.86) 115.12,66.76 R52.2
  C4B w0.203: v4(106.23,64.19) 107.45,65.41 113.57,65.41 v4(115.02,66.86)
Net-(R55-Pad2): length 3.8
  C1F w0.305: 111.03,64.05 111.22,64.05 111.74,64.57 111.74,64.98 112.35,65.59 R55.2 R56.2
Net-(R62-Pad1): length 11.8
  C1F w0.203: v3(97.16,44.81) 97.16,44.53 U23.21 ; v3(99.44,49.61) 99.47,49.63 R65.2 99.44,52.2 R62.1
  C4B w0.203: v3(99.44,49.61) 98.35,49.61 97.16,48.41 v3(97.16,44.81)

## Copper pours and planes (outline as drawn; the poured copper is in the pictures)
GND on C2: 0,75 0,0 120,0 120,75 108.5,74.9 108.5,72.5 104.1,72.5 104.1,75
VCC on C3: 62,0 120,0 120,75 108.5,75 108.5,72.5 104.1,72.5 104.1,75 0,75 0,29 3,29 6,32 6,41 29,54 29,62 36,69 45,69 48,66 48,53 62,39
/mcu/usb/power/USB_SHIELD on C1F: 114.6,54.9 114.6,39.9 120,39.9 120,59.9 117.8,59.9 117.8,55.9 116.3,55.9 115.3,54.9
/mcu/usb/power/USB_SHIELD on C4B: 114.6,54.9 114.6,39.9 120,39.9 120,56.9 117.3,56.9 115.3,54.9
VAA on C3: 0,0 61,0 61,38 47,52 47,65 44,68 37,68 30,61 30,53 7,40 7,31 4,28 0,28

## Text on the board
C4B: 4
User.Comments: RESET | CLKIN | 3V3 | DFU | CLKOUT | 1V8 | RF | LED1 | RX | TX | USB | ANTENNA | end plate templates for optional Hammond 1455J1201 enclosure | front end plate | rear end plate
C1F: 1
F.Silkscreen: TM | NT3 VAA | P5 | P9 | J10 / GND | P29 | NT1 / 1V8 | P3 / GND | P25  LPC_ISP | P30  BANK2_AUX | P22 | NT2 / VCC | P4 / ANTENNA | 3V3 | 1V8 | RF | USB | RX | TX | RESET | DFU | P28 | P26 / LPC_JTAG | P20 | P80 SHIELD | P2 / CLKOUT | P16 / CLKIN | r${VERSION} | https://greatscottgadgets.com/hackrf/ | HackRF One | ${DATE}
C2: 2
C3: 3
